# Altium PCB Gorilla OP pcb.PcbDoc (part 1 of 2)
Units mm, origin at the board's own origin, x right, y up, seen from the top; angles counter-clockwise.
Board outline 216.86 x 191.03 mm, 2 copper layers (Top Layer, Bottom Layer); 150 components, 99 nets, 680 pads, 97 vias.
Unrouted connection lines stored in the file: 1.
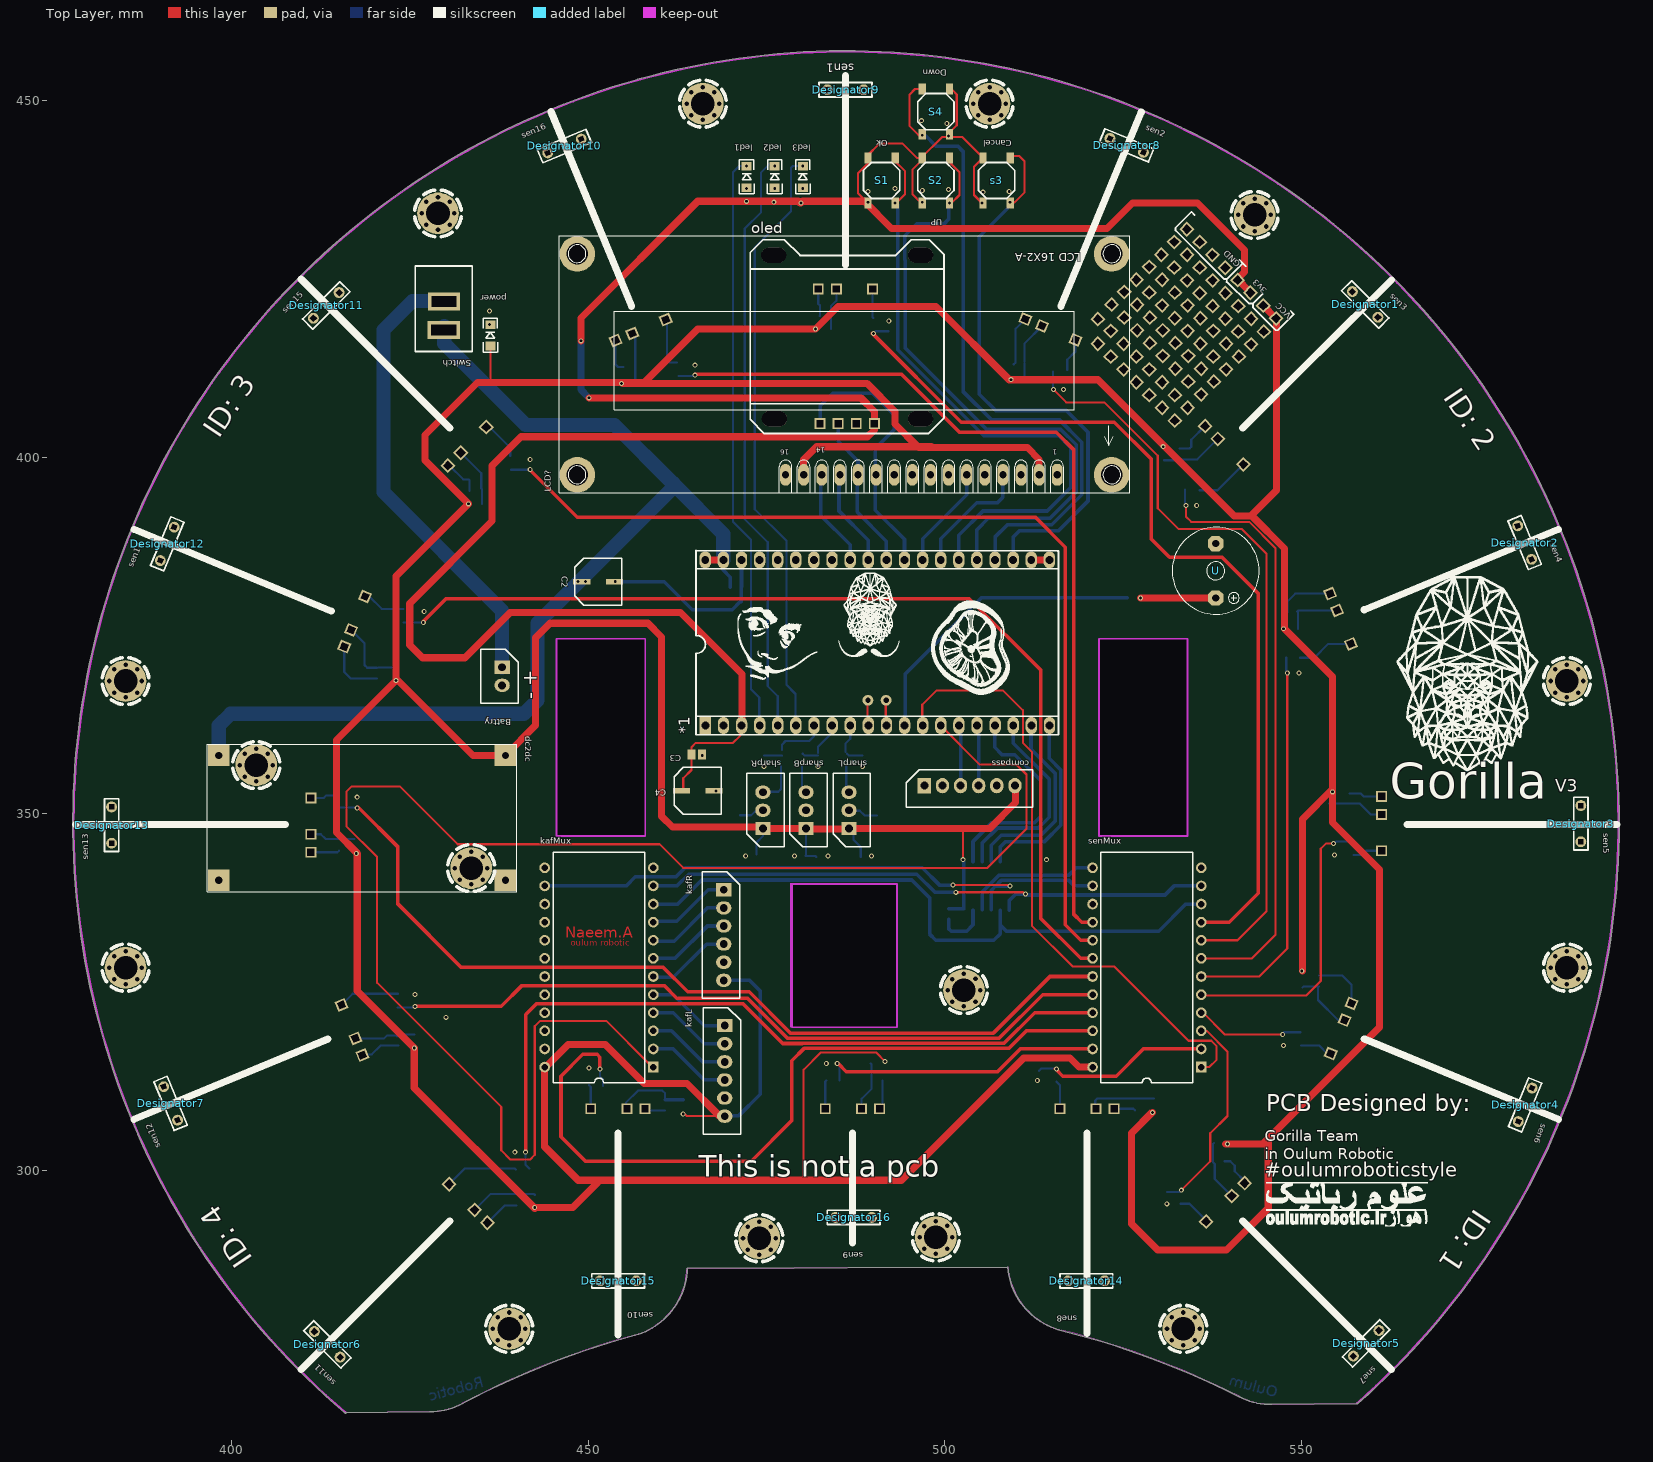
[diagram p0: Top Layer view]
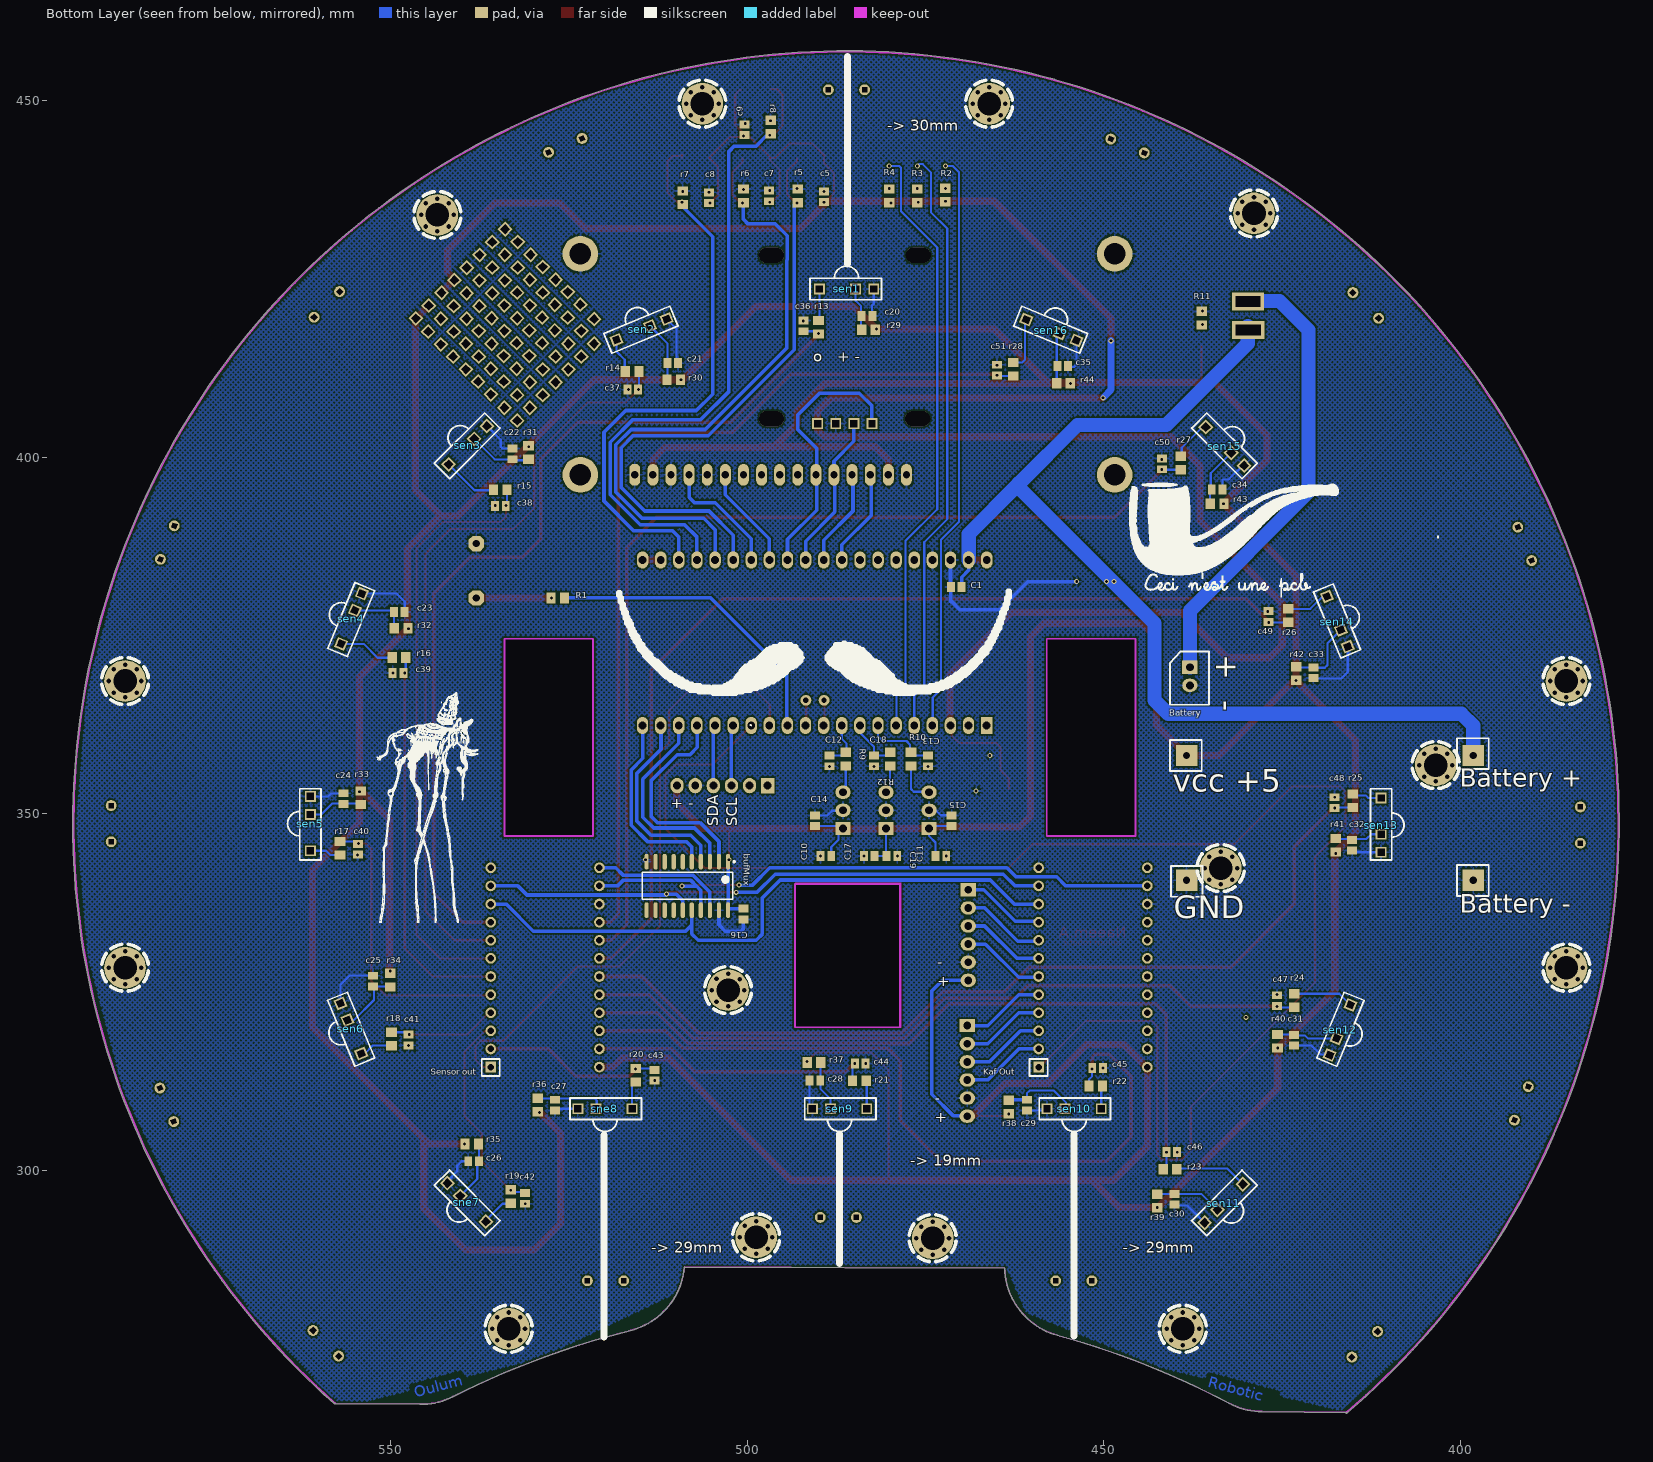
[diagram p1: Bottom Layer view, seen from below]

## Layer stack, top to bottom
Top Solder: solder mask 0.0102, Solder Resist, Dk 3.5
Top Layer: signal copper 0.0356
Dielectric1: dielectric 0.32, FR-4, Dk 4.8
Bottom Layer: signal copper 0.0356
Bottom Solder: solder mask 0.0102, Solder Resist, Dk 3.5

## Board outline
415.804,266.001 ccw(c486.122,348.539) 415.842,265.968 ccw(c415.925,266.065) 416.034,265.999 427.747,266.102 ccw(c427.66,276.152) 432.36,267.268 ccw(c427.66,276.152) 432.361,267.268 cw(c487.709,162.679) 456.49,276.818 ccw(c456.477,276.867) 456.49,276.818 ccw(c453.839,286.513) 463.884,286.205 508.789,286.382 ccw(c518.802,287.239) 516.368,277.488 cw(c487.709,162.679) 541.224,268.218 ccw(c545.769,277.182) 545.857,267.132 557.704,267.236 ccw(c557.784,267.335) 557.868,267.239 ccw(c486.122,348.539) 594.552,348.539 ccw(c486.122,348.539) 415.779,266.022 ccw(c415.822,266.048)
cut-out: 521.589,374.523 521.589,346.837 534.035,346.837 534.035,374.523
cut-out: 445.516,374.523 445.516,346.837 457.962,346.837 457.962,374.523
cut-out: 478.409,320.04 478.409,340.233 493.268,340.233 493.268,320.04

## Design rules (kind name [scope] priority, off if disabled: settings)
Clearance [All] p1: gap=0.2
PolygonConnect [All] p1: connectstyle=Relief reliefconductorwidth=0.254 reliefentries=4 polygonreliefangle="90 Angle" airgapwidth=0.254
RoutingVias [All] p1: holewidth=0.711 width=1.27 viastyle="Through Hole" minholewidth=0.711 minwidth=1.27 maxholewidth=0.711 maxwidth=1.27
SolderMaskExpansion [All] p1: expansion=0.102
UnpouredPolygon [All] p1: allowunpoured=FALSE
Width [All] p1: maxlimit=2 minlimit=0.2 preferedwidth=0.5 toplayer_maxwidth=1 toplayer_prefwidth=0.3 bottomlayer_minwidth=0.3 minimp=50.000000 maximp=50.000000 favimp=50.000000
29 further rules are at their usual default settings.

## Classes and differential pairs
component class Sheet1: *1 Battry bufMux C1 C2 C3 C4 c5 c7 c8 c9 C10 C11 C12 C13 C14 C15 C16 C17 C18 C19 c20 c21 c22 c23 c24 c25 c26 c27 c28 c29 c30 c31 c32 c33 c34 c35 c36 c37 c38 c39 c40 c41 c42 c43 c44 c45 c46 c47 c48 c49 c50 c51 compass dc2dc kafL kafMux kafR LCD? led1 led2 led3 oled power R1 R2 R3 R4 r5 r6 r7 r8 R9 R10 R11 R12 r13 r14 r15 r16 r17 r18 r19 r20 r21 r22 r23 r24 r25 r26 r27 r28 r29 r30 r31 r32 r33 r34 r35 r36 r37 r38 r39 r40 r41 r42 r43 r44 S1 S2 s3 S4 sen1 sen2 sen3 sen4 sen5 sen6 sen9 sen10 sen11 sen12 sen13 sen14 sen15 sen16 senMux sharpB sharpL sharpR sne7 sne8 Switch U

## Components (designator, comment, footprint, x,y, rotation, side; value= is the part's Value field where it differs from the comment)
*1 "cm9.04" cm9.04 489.204,376.174 r90 top
Battry "Header 2" PINH-2 437.896,367.792 r270 top
bufMux "74AC245SJ" M20D_N 508.381,339.852 r270 bottom
C1 "100nF" C0805 470.662,381.762 r180 bottom
C2 "100uF" "Cap 220uF 16V smd" 451.358,382.524 r90 top
C3 "100nF" C0805 465.201,358.267 r180 top
C4 "100uF" "Cap 220uF 16V smd" 465.328,353.187 r90 top
c5 "1u" C0805 489.204,436.499 r90 bottom
c7 "1u" C0805 496.951,436.626 r90 bottom
c8 "1u" C0805 505.333,436.372 r90 bottom
c9 "1u" C0805 500.38,445.897 r90 bottom
C10 "100nf" C0805 488.95,344.043 r0 bottom
C11 "100nf" C0805 472.821,344.043 r180 bottom
C12 "100nf" C0805 488.442,357.378 r90 bottom
C13 "100nf" C0805 474.599,357.38 r90 bottom
C14 "10uF" C0805 490.474,348.996 r90 bottom
C15 "10uF" C0805 471.297,348.996 r90 bottom
C16 "100n" C0805 500.507,335.915 r270 bottom
C17 "100nf" C0805 482.854,344.043 r0 bottom
C18 "100nf" C0805 482.219,357.38 r90 bottom
C19 "10uF" C0805 479.679,344.043 r180 bottom
c20 "10u" C0805 483.177,419.783 r180 bottom
c21 "10u" C0805 510.422,413.16 r180 bottom
c22 "10u" C0805 532.892,400.431 r90 bottom
c23 "10u" C0805 548.766,378.284 r180 bottom
c24 "10u" C0805 556.576,352.104 r90 bottom
c25 "10u" C0805 552.45,326.517 r90 bottom
c26 "10u" C0805 538.353,301.244 r0 bottom
c27 "10u" C0805 526.923,309.118 r270 bottom
c28 "10u" C0805 490.474,312.547 r0 bottom
c29 "10u" C0805 460.756,309.118 r270 bottom
c30 "10u" C0805 440.055,295.91 r270 bottom
c31 "10u" C0805 423.329,318.209 r270 bottom
c32 "10u" C0805 415.14,345.567 r270 bottom
c33 "10u" C0805 420.584,369.758 r270 bottom
c34 "10u" C0805 434.086,395.478 r180 bottom
c35 "10u" C0805 455.734,412.74 r180 bottom
c36 "1u" C0805 492.091,418.387 r90 bottom
c37 "1u" C0805 516.03,409.439 r0 bottom
c38 "1u" C0805 534.598,393.137 r0 bottom
c39 "1u" C0805 548.947,369.735 r0 bottom
c40 "1u" C0805 554.547,344.999 r270 bottom
c41 "1u" C0805 547.446,318.248 r270 bottom
c42 "1u" C0805 531.114,296.037 r270 bottom
c43 "1u" C0805 512.953,313.309 r270 bottom
c44 "1u" C0805 484.124,314.96 r180 bottom
c45 "1u" C0805 450.85,314.325 r180 bottom
c46 "1u" C0805 440.436,302.514 r180 bottom
c47 "1u" C0805 425.666,323.776 r90 bottom
c48 "1u" C0805 417.599,351.536 r90 bottom
c49 "1u" C0805 426.887,377.637 r90 bottom
c50 "1u" C0805 441.84,399.041 r90 bottom
c51 "1u" C0805 464.937,412.184 r90 bottom
compass "Header 6" PINH-6 503.428,353.822 r0 top
dc2dc "eca dc2dc" "eca dc2dc" 400.558,357.251 r0 top
Designator1 "Comment" "sensor filter" 559.002,421.334 r315 top
Designator2 "Comment" "sensor filter" 581.334,387.912 r292.5 top
Designator3 "Comment" "sensor filter" 589.176,348.488 r270 top
Designator4 "Comment" "sensor filter" 581.334,309.064 r247.5 top
Designator5 "Comment" "sensor filter" 559.002,275.642 r225 top
Designator6 "Comment" "sensor filter" 413.31,275.642 r135 top
Designator7 "Comment" "sensor filter" 391.447,309.258 r292.5 top
Designator8 "Comment" "sensor filter" 525.58,443.666 r337.5 top
Designator9 "Comment" "sensor filter" 486.156,451.508 r0 top
Designator10 "Comment" "sensor filter" 446.732,443.666 r22.5 top
Designator11 "Comment" "sensor filter" 413.31,421.334 r45 top
Designator12 "Comment" "sensor filter" 390.978,387.912 r67.5 top
Designator13 "Comment" "sensor filter" 383.136,348.488 r90 top
Designator14 "Comment" "sensor filter" 519.938,284.48 r0 top
Designator15 "Comment" "sensor filter" 454.279,284.48 r0 top
Designator16 "Comment" "sensor filter" 487.299,293.37 r0 top
kafL "Header 6" PINH-6 469.011,313.944 r270 top
kafMux "HCC4067BF" CDIP24 451.485,328.422 r90 top
kafR "Header 6" PINH-6 468.884,332.994 r270 top
LCD? "LCD 16X2" "LCD 16x2-A" 515.747,397.51 r180 top
led1 "Red" "LED 1206" 472.186,439.293 r90 top
led2 "Blue" "LED 1206" 476.123,439.293 r90 top
led3 "White" "LED 1206" 480.06,439.293 r90 top
oled "ssd 1306 oled" "ssd 1306 oled" 486.283,405.384 r180 top
power "LED" "LED 1206" 436.245,417.068 r90 top
R1 "" 2012[0805] 526.542,380.238 r0 bottom
R2 "1.5K" 2012[0805] 472.186,436.753 r270 bottom
R3 "1.5K" 2012[0805] 476.123,436.626 r270 bottom
R4 "1.5K" 2012[0805] 480.06,436.626 r270 bottom
r5 "4.7 K" 2012[0805] 492.887,436.626 r270 bottom
r6 "4.7 K" 2012[0805] 500.507,436.626 r270 bottom
r7 "4.7 K" 2012[0805] 509.016,436.372 r270 bottom
r8 "4.7 K" 2012[0805] 496.697,446.278 r270 bottom
R9 "10K" 2012[0805] 486.156,357.632 r270 bottom
R10 "10K" 2012[0805] 477.012,357.632 r270 bottom
R11 "1K" 2012[0805] 436.245,419.481 r90 bottom
R12 "10K" 2012[0805] 479.933,357.632 r270 bottom
r13 "100k" 2012[0805] 489.966,418.211 r90 bottom
r14 "100k" 2012[0805] 516.113,412.007 r0 bottom
r15 "100k" 2012[0805] 534.598,395.423 r0 bottom
r16 "100k" 2012[0805] 548.82,371.894 r0 bottom
r17 "100k" 2012[0805] 557.087,345.126 r270 bottom
r18 "100k" 2012[0805] 549.859,318.375 r270 bottom
r19 "100k" 2012[0805] 533.146,296.291 r270 bottom
r20 "100k" 2012[0805] 515.62,313.309 r270 bottom
r21 "100k" 2012[0805] 484.251,312.547 r180 bottom
r22 "100k" 2012[0805] 451.104,311.785 r180 bottom
r23 "100k" 2012[0805] 440.69,300.101 r180 bottom
r24 "100k" 2012[0805] 423.253,323.776 r90 bottom
r25 "100k" 2012[0805] 415.059,351.79 r90 bottom
r26 "100k" 2012[0805] 424.093,377.764 r90 bottom
r27 "100k" 2012[0805] 439.173,399.168 r90 bottom
r28 "100k" 2012[0805] 462.651,412.311 r90 bottom
r29 "47" 2012[0805] 482.981,417.83 r180 bottom
r30 "47" 2012[0805] 510.286,410.845 r180 bottom
r31 "47" 2012[0805] 530.661,400.63 r90 bottom
r32 "47" 2012[0805] 548.512,375.998 r180 bottom
r33 "47" 2012[0805] 554.163,352.231 r90 bottom
r34 "47" 2012[0805] 550.037,326.644 r90 bottom
r35 "47" 2012[0805] 538.607,303.657 r0 bottom
r36 "47" 2012[0805] 529.336,309.118 r270 bottom
r37 "47" 2012[0805] 490.601,315.087 r0 bottom
r38 "47" 2012[0805] 463.296,308.864 r270 bottom
r39 "47" 2012[0805] 442.468,295.656 r270 bottom
r40 "47" 2012[0805] 425.615,318.082 r270 bottom
r41 "47" 2012[0805] 417.426,345.567 r270 bottom
r42 "47" 2012[0805] 422.997,369.631 r270 bottom
r43 "47" 2012[0805] 434.079,393.453 r180 bottom
r44 "47" 2012[0805] 455.607,410.327 r180 bottom
S1 "Ok" "Switch - SMD" 488.569,441.325 r270 top
S2 "UP" "Switch - SMD" 496.189,441.325 r270 top
s3 "Cancel" "Switch - SMD" 504.698,441.325 r270 top
S4 "Down" "Switch - SMD" 501.269,445.897 r90 top
sen1 "tsop" tsop 486.156,423.568 r0 bottom
sen2 "tsop" tsop 514.888,417.853 r337.5 bottom
sen3 "tsop" tsop 539.246,401.578 r315 bottom
sen4 "tsop" tsop 555.521,377.22 r292.5 bottom
sen5 "tsop" tsop 561.236,348.488 r270 bottom
sen6 "tsop" tsop 555.521,319.756 r247.5 bottom
sen9 "tsop" tsop 486.918,308.61 r180 bottom
sen10 "tsop" tsop 454.025,308.61 r180 bottom
sen11 "tsop" tsop 433.066,295.398 r135 bottom
sen12 "tsop" tsop 416.791,319.756 r112.5 bottom
sen13 "tsop" tsop 411.076,348.488 r90 bottom
sen14 "tsop" tsop 417.26,377.025 r67.5 bottom
sen15 "tsop" tsop 433.066,401.578 r45 bottom
sen16 "tsop" tsop 457.424,417.853 r22.5 bottom
senMux "HCC4067BF" CDIP24 528.32,328.422 r90 top
sharpB "Header 3" PINH-3 480.505,351.536 r90 top
sharpL "Header 3" PINH-3 486.537,351.536 r90 top
sharpR "Header 3" PINH-3 474.472,351.536 r90 top
sne7 "tsop" tsop 539.246,295.398 r225 bottom
sne8 "tsop" tsop 519.811,308.61 r180 bottom
Switch "SPST Switch" Rocker 429.514,420.116 r180 top
U "Buzzer small" Buzzer 537.972,384.048 r270 top

## Footprints (in the part's own frame and the unit in brackets; to place one, negate y for a bottom-side part, rotate by r counter-clockwise, add the part's x,y. Pads: shape width x height; smd on the part's side, far side on the other; paste and mask are expansions set on the pad)
2012[0805] [mm]
  rect 1.3x1.5 smd: 1(-0.95,0) 2(0.95,0)
Buzzer [mil] "7.5 mm"
  oct 85x85 hole 40: +(150,0) -(-150,0)
  silkscreen extent -240,-240 240,240
C0805 [mm] "Chip Capacitor, Body 2.0x1.3mm, IPC High Density"
  rect 1.1x1.4 smd: 1(-0.75,0) 2(0.75,0)
  body extent -1.1,-0.72 1.1,0.72, height 1.4
"Cap 220uF 16V smd" [mm]
  rect 0.8x2.4 smd: 1(0,2.3) 2(0,-2.3)
  silkscreen extent -3.3,-3.3 3.3,3.3
CDIP24 [mm] "DIP; 24 Leads; Row Spacing 15.24 mm; Pitch 2.54 mm"
  rect 1.5x1.5 hole 0.9: 1(-13.97,-7.62)
  round 1.5 hole 0.9: 2(-11.43,-7.62) 3(-8.89,-7.62) 4(-6.35,-7.62) 5(-3.81,-7.62) 6(-1.27,-7.62) 7(1.27,-7.62) 8(3.81,-7.62) 9(6.35,-7.62) 10(8.89,-7.62) 11(11.43,-7.62) 12(13.97,-7.62) 13(13.97,7.62) 14(11.43,7.62) 15(8.89,7.62) 16(6.35,7.62) 17(3.81,7.62) 18(1.27,7.62) 19(-1.27,7.62) 20(-3.81,7.62) 21(-6.35,7.62) 22(-8.89,7.62) 23(-11.43,7.62) 24(-13.97,7.62)
  silkscreen extent -16.15,-6.45 16.15,6.45
cm9.04 [mm]
  rect 2.4x1.6 hole 1.1: 1(-13.824,22.806)
  oval 2.4x1.6 hole 1.1: 2(-13.824,20.266) 3(-13.824,17.726) 4(-13.824,15.186) 5(-13.824,12.646) 6(-13.824,10.106) 7(-13.824,7.566) 8(-13.824,5.026) 9(-13.824,2.486) 10(-13.824,-0.054) 11(-13.824,-2.594) 12(-13.824,-5.134) 13(-13.824,-7.674) 14(-13.824,-10.214) 15(-13.824,-12.754) 16(-13.824,-15.294) 17(-13.824,-17.834) 18(-13.824,-20.374) 19(-13.824,-22.914) 20(-13.824,-25.454) 21(9.4,-25.44) 22(9.4,-22.9) 23(9.4,-20.36) 24(9.4,-17.82) 25(9.4,-15.28) 26(9.4,-12.74) 27(9.4,-10.2) 28(9.4,-7.66) 29(9.4,-5.12) 30(9.4,-2.58) 31(9.4,-0.04) 32(9.4,2.5) 33(9.4,5.04) 34(9.4,7.58) 35(9.4,10.12) 36(9.4,12.66) 37(9.4,15.2) 38(9.4,17.74) 39(9.4,20.28) 40(9.4,22.82)
  silkscreen extent -15.1,-26.72 10.7,24.13
"eca dc2dc" [mm]
  rect 3x3 hole 1: 1(37.8,0.9) 2(37.8,-16.6) 3(-2.4,-16.6) 4(-2.4,0.9)
  round 0 hole 0.635 mask-1.27: P(0.574,-0.454) P(1.244,-2.07) P(1.244,1.162) P(2.86,-2.74) P(2.86,1.832) P(4.476,-2.07) P(4.476,1.162) P(5.146,-0.454) P(30.714,-14.9) P(31.384,-16.516) P(31.384,-13.284) P(33,-17.186) P(33,-12.614) P(34.616,-16.516) P(34.616,-13.284) P(35.286,-14.9)
  round 5.842 hole 3.3: P(2.86,-0.454) P(33,-14.9)
  silkscreen extent -4,-18.2 39.4,2.82
"LCD 16x2-A" [mil]
  round 196.85 hole 118.11: 0(-300,0) 1(-300,-1220) 2(2650,0) 3(2650,-1220)
  oct 60x120 hole 40: 1(0,0)
  oval 60x120 hole 40: 2(100,0) 3(200,0) 4(300,0) 5(400,0) 6(500,0) 7(600,0) 8(700,0) 9(800,0) 10(900,0) 11(1000,0) 12(1100,0) 13(1200,0) 14(1300,0) 15(1400,0) 16(1500,0)
  silkscreen extent -400,-1319 2750,98
"LED 1206" [mm]
  rect 1.2x1.4 smd paste+0.2: 1(-1.5,0) 2(1.5,0)
  silkscreen extent -2.4,-1.04 2.4,1.02
M20D_N [mm] "SOP, 20-Leads, Body 12.6x5.3mm, Pitch 1.27mm, IPC Medium Density"
  oval 2.2x0.6 smd: 1(-3.4,5.715) 2(-3.4,4.445) 3(-3.4,3.175) 4(-3.4,1.905) 5(-3.4,0.635) 6(-3.4,-0.635) 7(-3.4,-1.905) 8(-3.4,-3.175) 9(-3.4,-4.445) 10(-3.4,-5.715) 11(3.4,-5.715) 12(3.4,-4.445) 13(3.4,-3.175) 14(3.4,-1.905) 15(3.4,-0.635) 16(3.4,0.635) 17(3.4,1.905) 18(3.4,3.175) 19(3.4,4.445) 20(3.4,5.715)
  silkscreen extent -3.52,-6.35 1.9,6.69, body extent -2.67,-6.32 2.67,6.32, height 2.1
PINH-2 [mm]
  rect 1.85x2.15 hole 1.1: 1(-2.731,0)
  oval 1.85x2.15 hole 1.1: 2(-0.191,0)
  silkscreen extent -5.27,-3 2.29,2.24
PINH-3 [mm]
  rect 1.85x2.15 hole 1.1: 1(-3.62,0)
  oval 1.85x2.15 hole 1.1: 2(-1.08,0) 3(1.46,0)
  silkscreen extent -6.16,-3 4.14,2.24
PINH-6 [mm]
  rect 1.85x2.15 hole 1.1: 1(-6.32,0.1)
  oval 1.85x2.15 hole 1.1: 2(-3.78,0.1) 3(-1.24,0.1) 4(1.3,0.1) 5(3.84,0.1) 6(6.38,0.1)
  silkscreen extent -8.86,-2.9 8.9,2.34
Rocker [mm] "Rocker switch"
  rect 1.524x1.524 hole 0.762 square: 1(-1.204,2.32) 1(-0.204,2.32) 1(0.796,2.32)
  rect 2.524x2.524 hole 1.5 square: 1(-1.204,2.32) 1(-0.204,2.32) 1(0.796,2.32) 2(-1.204,-1.68) 2(0,-1.68) 2(0.762,-1.68)
  silkscreen extent -4.2,-6.68 3.8,5.32
"sensor filter" [mm]
  round 1.524 hole 0.7 square: 0(-2.64,0) 0(2.44,0)
  silkscreen extent -3.8,-1 3.6,1
"ssd 1306 oled" [mm]
  rect 1.524x1.524 hole 0.962 square: 1(-3.82,0.7) 2(-1.28,0.7) 3(1.26,0.7) 4(3.8,0.7)
  oval 3.5x2.2 hole 2.1 slot 3.5 at 0 deg: ""(-10.3,0) ""(-10.3,-22.9) ""(10.2,0) ""(10.3,-22.9)
  silkscreen extent -13.6,-25.1 13.6,2.1
"Switch - SMD" [mil]
  rect 60x40 smd: 1(-25,25) 1(225,25) 2(-25,175) 2(225,175)
  silkscreen extent 0,0 200,200
tsop [mil]
  rect 60x60 hole 37.87 square: 1(-154.33,0) 2(-54.33,0) 3(145.67,0)
  silkscreen extent -197,-126 197,59

## Part data
Battry: "Header, 2-Pin"
bufMux: "Octal Bidirectional Transceiver with 3-State Input/Output"
C1 C3: library part "Cap Semi", "Capacitor (Semiconductor SIM Model)"
C2 C4: library part Cap2, "Capacitor"
c5 c7 c8 c9 C10 C11 C12 C13 C14 C15 C16 C17 C18 C19 c20 c21 c22 c23 c24 c25 c26 c27 c28 c29 c30 c31 c32 c33 c34 c35 c36 c37 c38 c39 c40 c41 c42 c43 c44 c45 c46 c47 c48 c49 c50 c51: library part CAP-POL, "Polarized Capacitor"
compass kafL kafR: "Header, 6-Pin"
kafMux senMux: "Analog Multiplexer/Demultiplexer"
LCD?: "LCD 16X2 Character lcd"
led1 led2 led3: library part LED3, "Typical BLUE SiC LED"
power: "General Propuse Ga/As LED"
R1: library part Res1, "Resistor"
R2 R3 R4: library part "Res Semi", "Semiconductor Resistor"
r5 r6 r7 r8 R9 R10 R11 R12 r13 r14 r15 r16 r17 r18 r19 r20 r21 r22 r23 r24 r25 r26 r27 r28 r29 r30 r31 r32 r33 r34 r35 r36 r37 r38 r39 r40 r41 r42 r43 r44: library part Resistor, "Resistor"
S1 S2 s3 S4: library part SW-PB, "Push Botton Switch"
sharpB sharpL sharpR: "Header, 3-Pin"
Switch: library part SW-SPST, "SPST Switch on/off Application"
U: library part Buzzer, "5-12v small buzzer (12mm)"

## Free pads (board coordinates)
  rect 1.524x1.524 hole 0.962 square rot 45: 0(521.461,419.347) 0(521.462,415.883) 0(523.258,414.086) 0(523.258,417.679) 0(523.366,421.379) 0(525.054,412.29) 0(525.054,415.883) 0(525.144,419.564) 0(525.144,423.157) 0(526.85,410.494) 0(526.85,414.086) 0(526.85,424.863) 0(526.94,417.768) 0(526.94,421.36) 0(528.646,408.698) 0(528.646,412.29) 0(528.646,423.067) 0(528.646,426.659) 0(528.736,415.972) 0(528.736,419.564) 0(530.353,428.365) 0(530.442,406.902) 0(530.442,410.494) 0(530.442,421.271) 0(530.442,424.863) 0(530.532,414.176) 0(530.532,417.768) 0(532.149,426.569) 0(532.149,430.161) 0(532.238,408.698) 0(532.238,419.475) 0(532.238,423.067) 0(532.328,412.38) 0(532.328,415.972) 0(533.927,431.939) 0(533.945,424.773) 0(533.945,428.365) 0(534.035,406.902) 0(534.035,417.679) 0(534.035,421.271) 0(534.124,410.584) 0(534.124,414.176) 0(535.723,430.143) 0(535.741,422.977) 0(535.741,426.569) 0(535.831,415.883) 0(535.831,419.475) 0(535.92,412.38) 0(537.519,428.347) 0(537.537,421.181) 0(537.537,424.773) 0(537.627,414.086) 0(537.627,417.679) 0(537.716,410.584) 0(539.315,426.551) 0(539.333,419.385) 0(539.333,422.977) 0(539.423,415.883) 0(541.039,424.827) 0(541.129,417.589) 0(541.129,421.181) 0(541.219,414.086) 0(542.835,423.031) 0(542.925,419.385) 0(544.631,421.235) 0(544.721,417.589) 0(546.427,419.439)
  rect 1.524x1.524 hole 0.962 square rot 135: 0(532.238,405.106) 0(535.92,408.788) 0(539.423,412.29) 0(542.925,415.793)
  round 1.524 hole 0.762: 5(489.204,365.887) 6(491.744,365.887)
  round 0 hole 0.635 mask-1.27: P(382.802,328.384) P(382.802,368.592) P(383.472,326.768) P(383.472,330.001) P(383.472,366.975) P(383.472,370.208) P(385.088,326.098) P(385.088,330.67) P(385.088,366.306) P(385.088,370.878) P(386.704,326.768) P(386.704,330.001) P(386.704,366.975) P(386.704,370.208) P(387.374,328.384) P(387.374,368.592) P(426.62,434.169) P(427.289,432.553) P(427.289,435.786) P(428.906,431.883) P(428.906,436.455) P(430.522,432.553) P(430.522,435.786) P(431.192,434.169) P(436.602,277.747) P(437.272,276.13) P(437.272,279.363) P(438.888,275.461) P(438.888,280.033) P(440.505,276.13) P(440.505,279.363) P(441.174,277.747) P(463.766,449.556) P(464.436,447.94) P(464.436,451.172) P(466.052,447.27) P(466.052,451.842) P(467.669,447.94) P(467.669,451.172) P(468.338,449.556) P(471.678,290.449) P(472.348,288.833) P(472.348,292.065) P(473.964,288.163) P(473.964,292.735) P(475.58,288.833) P(475.58,292.065) P(476.25,290.449) P(496.443,290.576) P(497.078,292.1) P(497.113,288.96) P(498.729,288.29) P(498.729,292.862) P(500.345,288.96) P(500.345,292.192) P(500.38,325.247) P(501.015,290.576) P(501.015,326.771) P(501.05,323.631) P(502.666,322.961) P(502.666,327.533) P(503.974,449.556) P(504.282,323.631) P(504.282,326.863) P(504.643,447.94) P(504.643,451.172) P(504.952,325.247) P(506.26,447.27) P(506.26,451.842) P(507.876,447.94) P(507.876,451.172) P(508.546,449.556) P(531.138,277.747) P(531.807,276.13) P(531.807,279.363) P(533.424,275.461) P(533.424,280.033) P(535.04,276.13) P(535.04,279.363) P(535.71,277.747) P(541.138,433.947) P(541.808,432.33) P(541.808,435.563) P(543.424,431.661) P(543.424,436.233) P(545.041,432.33) P(545.041,435.563) P(545.71,433.947) P(584.938,328.384) P(584.938,368.592) P(585.608,326.768) P(585.608,330.001) P(585.608,366.975) P(585.608,370.208) P(587.224,326.098) P(587.224,330.67) P(587.224,366.306) P(587.224,370.878) P(588.84,326.768) P(588.84,330.001) P(588.84,366.975) P(588.84,370.208) P(589.51,328.384) P(589.51,368.592)
  round 5.842 hole 3.3: P(385.088,328.384) P(385.088,368.592) P(428.906,434.169) P(438.888,277.747) P(466.052,449.556) P(473.964,290.449) P(498.729,290.576) P(502.666,325.247) P(506.26,449.556) P(533.424,277.747) P(543.424,433.947) P(587.224,328.384) P(587.224,368.592)

## Via types
v1: diameter 0.7, hole 0.4, Top Layer to Bottom Layer, 97 vias

## Nets (pads, with @x,y where several pads share a name; then routed paths per layer and width w, separated by ;. In a path a pad name is that pad's centre, name@x,y a point inside that pad or via, vN(x,y) a via of type N, cw(c..) or ccw(c..) an arc to the next point about the centre after c; other vN are vias at no path point)
+3V3: *1.3 C3.2 C4.1 c5.1 c7.1 c8.1 c9.1 oled.1 pad.0@541.039,424.827 pad.0@542.835,423.031 R2.2 R3.2 R4.2 S1.1 S2.1 s3.1 S4.1 | length 382.8
  Top Layer w0.3: C4.1@463.296,353.441 463.296,354.965 464.451,356.12 C3.2@464.451,358.267 464.451,359.295 465.074,359.918 470.281,359.918 471.297,360.934 *1.3@471.297,362.331 ; v1(475.996,435.737) v1@479.552,435.737 ; v1@479.679,435.737 v1@479.806,435.737 ; S1.1@489.077,442.214 490.855,443.992 494.03,443.992 496.062,441.96 496.697,441.96 499.618,444.881 S4.1@500.507,444.881 ; v1(489.204,435.737) 489.077,435.737 487.807,437.007 487.807,439.801 489.204,441.198 S1.1@489.204,441.96 ; S2.1@496.697,435.61 495.427,436.88 495.427,440.309 496.824,441.706 S2.1@496.824,441.96 ; v1(500.507,445.008) 500.507,445.389 501.65,446.532 501.65,450.85 501.015,451.485 S4.1@500.888,451.485 ; S4.1@500.634,444.881 502.412,444.881 s3.1@505.333,441.96 504.063,440.69 504.063,436.753 v1(505.206,435.61)
  Top Layer w1: v1(448.945,416.306) 448.945,419.481 465.328,435.864 v1(472.186,435.864) 479.425,435.864 479.552,435.737 v1@479.679,435.61 ; v1(450.088,408.305) 488.188,408.305 490.103,406.39 oled.1@490.103,404.684 490.103,403.8 489.147,402.844 440.563,402.844 436.499,398.78 436.499,391.033 424.942,379.476 424.942,373.634 426.72,371.856 432.689,371.856 439.039,378.206 462.915,378.206 471.551,369.57 *1.3@471.551,362.331 ; v1(479.806,435.61) 480.06,435.864 488.696,435.864 492.506,432.054 522.732,432.054 526.288,435.61 535.432,435.61 542.006,429.036 542.006,425.928 541.02,424.942 542.798,423.164 pad.0@542.925,423.164
  Bottom Layer w1: v1(448.945,416.306) 448.945,409.448 v1@449.961,408.432
  other v1: 496.824,435.737
+5V: bufMux.1 bufMux.20 C10.1 C11.1 C14.1 C15.1 C16.1 C17.1 C19.1 compass.6 dc2dc.1 kafL.6 kafMux.24 kafR.6 LCD?.2 LCD?.15 pad.0@544.631,421.235 pad.0@546.427,419.439 power.1 r29.2 r30.2 r31.2 r32.2 r33.2 r34.2 r35.2 r36.2 r37.2 r38.2 r39.2 r40.2 r41.2 r42.2 r43.2 r44.2 senMux.24 sharpB.1 sharpL.1 sharpR.1 | length 943.3
  Top Layer w0.3: 436.245,410.591 power.1@436.245,415.568 ; v1@463.423,307.975 463.834,307.564 468.406,307.564 kafL.6@469.111,307.564 ; 480.187,298.704 480.187,314.071 482.6,316.484 490.347,316.484 v1(491.617,315.214) ; v1(502.539,343.535) 502.539,347.916
  Top Layer w1: v1@442.468,294.64 425.577,311.531 v1(425.577,317.119) 417.576,325.12 417.576,344.424 414.655,347.345 414.655,360.299 v1(423.037,368.681) ; v1(442.468,294.767) 447.802,294.767 451.231,298.196 ; v1@454.787,410.337 489.077,410.337 493.014,406.4 493.014,404.622 496.189,401.447 ; kafL.6@469.011,307.467 468.503,307.467 468.406,307.564 463.804,312.166 457.835,312.166 452.374,317.627 447.167,317.627 443.865,314.325 443.865,303.276 448.564,298.577 493.903,298.577 511.048,315.722 517.525,315.722 518.795,314.452 senMux.24@520.7,314.452 ; sharpR.1@474.218,348.107 461.772,348.107 460.248,349.631 460.248,374.777 458.343,376.682 444.627,376.682 442.595,374.65 442.595,362.388 dc2dc.1@438.358,358.151 433.821,358.151 423.164,368.808 v1(423.037,368.681) ; sharpR.1@474.472,347.916 480.251,347.916 480.314,347.853 sharpL.1@486.537,347.853 ; LCD?.15@480.187,397.51 480.187,399.669 481.965,401.447 496.189,401.447 ; sharpL.1@486.537,347.916 502.539,347.916 506.285,347.916 509.905,351.536 compass.6@509.905,354.076 ; 498.094,401.447 496.189,401.447 ; LCD?.2@513.207,397.51 513.207,399.669 511.556,401.32 496.316,401.32 496.189,401.447 ; v1(529.082,308.102) 526.161,305.181 526.161,292.481 529.844,288.798 539.496,288.798 545.338,294.64 545.338,304.292 ; v1@539.33,303.657 v1(539.623,303.657) 544.703,303.657 ; pad.0@544.631,421.235 pad.0@546.427,419.439 546.512,419.354 546.512,395.343 542.925,391.756 ; 544.703,303.784 560.959,320.04 560.959,342.141 554.355,348.745 v1(554.355,353.06) 554.355,353.441 ; v1@550.164,327.914 550.164,349.25 554.355,353.441 ; v1(423.037,368.681) 423.037,383.286 v1(433.197,393.446) 427.101,399.542 427.101,403.098 434.467,410.464 457.835,410.464 465.328,417.957 v1(481.838,417.957) 485.013,421.132 498.729,421.132 509.016,410.845 v1(509.27,410.845) 521.462,410.845 540.551,391.756 542.925,391.756 ; 542.925,391.756 543.023,391.756 547.624,387.155 547.624,375.92 554.355,369.189 554.355,353.441
  Bottom Layer w0.3: C15.1@471.297,348.246 474.079,348.246 sharpR.1@474.345,347.98 ; C11.1@473.583,344.297 473.583,345.948 474.472,346.837 sharpR.1@474.472,347.916 ; C19.1@480.429,344.043 481.838,344.043 C17.1@481.965,343.916 ; C19.1@480.441,344.043 480.505,344.106 sharpB.1@480.505,347.916 ; sharpL.1@486.537,347.916 487.172,347.281 487.172,346.329 488.188,345.313 C10.1@488.188,343.916 ; sharpL.1@486.918,348.107 487.057,348.246 C14.1@490.474,348.246
  Bottom Layer w0.5: kafR.6@468.984,326.614 472.597,326.614 474.091,325.12 474.091,310.642 471.043,307.594 kafL.6@469.138,307.594 ; C16.1@500.507,336.665 502.654,336.665 502.666,336.677 bufMux.1@502.666,343.252
  other v1: 463.296,307.848 550.037,327.914 417.449,344.424 547.497,375.92 530.606,401.447 454.66,410.337
A: *1.19 bufMux.4 | length 27.3
  Bottom Layer w0.5: bufMux.4@506.476,343.252 506.476,345.567 507.873,346.964 513.461,346.964 515.493,348.996 515.493,355.6 512.064,359.029 *1.19@512.064,362.077
A+: bufMux.16 kafMux.10 senMux.10 | length 92.1
  Bottom Layer w0.5: kafMux.10@459.105,337.312 462.534,337.312 465.911,340.689 495.352,340.689 497.84,338.201 497.84,333.121 498.729,332.232 506.857,332.232 507.746,333.121 507.746,334.391 ; bufMux.16@507.746,336.169 507.746,334.391 ; bufMux.16@507.746,336.452 507.746,334.391 ; senMux.10@535.94,337.312 533.781,337.312 529.971,333.502 508.635,333.502 507.746,334.391
B: *1.20 bufMux.5 | length 26.5
  Bottom Layer w0.5: bufMux.5@507.746,343.252 507.746,345.313 508.508,346.075 513.969,346.075 516.255,348.361 516.255,356.108 514.604,357.759 *1.20@514.604,362.331
B+: bufMux.15 kafMux.11 senMux.11 | length 82.8
  Top Layer w0.3: v1(501.523,338.963) 510.921,338.963 v1@511.175,338.709
  Bottom Layer w0.5: kafMux.11@459.105,339.852 462.407,339.852 464.058,341.503 496.062,341.503 498.602,338.963 v1(501.523,338.963) ; bufMux.15@509.016,336.452 509.016,337.82 509.778,338.582 ; 509.905,338.709 v1(511.302,338.709) ; v1@511.302,338.582 530.86,338.582 532.13,339.852 senMux.11@535.813,339.852
BATTRY+: *1.39 *1.40 C1.2 C2.1 dc2dc.4 Switch.1 | length 151.7
  Top Layer w1: *1.40@466.471,385.572 466.473,385.574 *1.39@468.924,385.574
  Bottom Layer w0.5: *1.39@468.884,385.572 468.884,384.175 469.912,383.147 C1.2@469.912,381.762
  Bottom Layer w2: dc2dc.4@398.158,358.151 398.158,362.344 399.796,363.982 440.944,363.982 442.849,365.887 442.849,376.682 461.899,395.732 461.899,396.24 ; Switch.1@429.768,418.338 429.768,415.925 441.198,404.495 453.644,404.495 461.899,396.24 ; 461.899,396.367 461.899,396.24 ; *1.39@468.924,385.574 468.924,389.215 461.899,396.24
  other v1: 448.564,382.524 449.58,382.524
BUZ: *1.12 R1.1 | length 42.6
  Bottom Layer w0.5: *1.12@494.411,362.585 494.411,369.57 505.079,380.238 R1.1@525.592,380.238
C: *1.18 bufMux.3 | length 28.4
  Bottom Layer w0.5: bufMux.3@505.206,343.281 505.206,345.821 507.365,347.98 513.08,347.98 514.604,349.504 514.604,354.838 509.578,359.864 *1.18@509.578,362.35
C+: bufMux.17 kafMux.14 senMux.14 | length 87.3
  Top Layer w0.3: v1(501.142,339.979) v1@509.143,339.979
  Bottom Layer w0.5: kafMux.14@443.865,339.852 455.295,339.852 456.565,341.122 462.28,341.122 463.55,342.392 496.824,342.392 499.237,339.979 v1(501.142,339.979) ; bufMux.17@506.476,336.55 506.476,339.217 507.047,339.788 ; v1(509.143,339.852) 509.079,339.788 507.047,339.788 ; senMux.14@520.7,339.852 518.16,339.852 517.336,340.676 507.935,340.676 507.047,339.788
CANCEL: *1.23 r7.2 s3.2 | length 81.2
  Top Layer w0.3: v1(509.143,435.737) 509.778,435.737 511.175,437.134 511.175,441.452 510.413,442.214 s3.2@509.397,442.214 ; s3.2@509.143,441.96 509.143,442.214 509.016,442.341 s3.2@509.27,442.341
  Bottom Layer w0.5: r7.2@509.143,435.61 509.143,435.229 504.825,430.911 504.825,408.813 507.111,406.527 517.017,406.527 520.065,403.479 520.065,393.827 515.874,389.636 510.413,389.636 509.564,388.787 *1.23@509.564,385.574
D: *1.17 bufMux.2 | length 30.4
  Bottom Layer w0.5: bufMux.2@503.936,343.252 503.936,346.075 506.603,348.742 512.572,348.742 513.461,349.631 513.461,354.584 509.778,358.267 508,358.267 506.984,359.283 *1.17@506.984,362.458
D4: *1.29 LCD?.11 oled.4 | length 37.6
  Bottom Layer w0.5: oled.4@482.483,404.684 482.483,407.172 484.251,408.94 489.839,408.94 492.887,405.892 492.887,403.86 490.22,401.193 LCD?.11@490.22,397.764 ; LCD?.11@490.22,397.383 490.22,392.557 494.324,388.453 *1.29@494.324,385.574